# KiCad board 8851_HW-U1-VCU118_REV2-0_071417.kicad_pcb (continued)
## Routing (per net, layer and track width the routed paths; a pad name or vN(x,y) marks a point on that pad's centre or on a via; arc(x,y) is an arc through that point) (continued)
DDR4_C2_DQ60: length 56
  TOP w0.15: 154.29,87.25 v1(153.9,86.86) ; v2(130.15,79.57) 129.66,79.08
  14_SIG4 w0.087: 155.67,93.88 155.86,93.69 155.86,89.33 155.47,88.94 154.46,88.94 154.29,88.76 154.29,86.95 154.2,86.86 v1(153.9,86.86) ; 134.58,87.81 134.58,87.24 134.3,86.95 133.89,86.95 133.6,86.66 133.6,86.26 133.31,85.97 132.9,85.97 132.62,85.68 132.62,85.27 132.33,84.98 130.94,84.98 130.65,84.69 130.65,84.29 130.36,84 129.95,84 129.66,83.71 129.66,83.3 129.37,83.01 128.97,83.01 128.68,82.73 128.68,80.35 128.97,80.06 129.33,80.06 129.82,79.57 v2(130.15,79.57)
  14_SIG4 w0.138: 134.58,87.81 134.58,88.1 135.32,88.84 139.71,93.22 140.25,93.22 142.02,94.99 143.85,94.99 144.01,94.83 144.01,94.6 143.82,94.42 142.43,94.42 142.23,94.22 142.23,94.04 142.39,93.88 143.68,93.88 143.95,93.62 143.95,93.47 143.95,92.45 144.48,91.92 146.65,91.92 148.06,93.33 148.06,93.59 147.96,93.69 147.96,94.01 148.18,94.24 148.33,94.24 148.78,94.68 149.9,94.68 150.66,95.44 154.12,95.44 155.67,93.88
DDR4_C2_DQ61: length 55.1
  TOP w0.15: v2(130.15,80.55) 129.66,80.06 ; 154.29,91.98 v1(153.9,92.37)
  14_SIG4 w0.087: 151.54,92.81 151.71,92.81 151.93,93.03 151.93,93.32 152.16,93.55 153.27,93.55 153.5,93.32 153.5,92.95 153.8,92.66 153.9,92.56 v1(153.9,92.37) ; v2(130.15,80.55) 130.55,80.55 130.65,80.65 130.65,81.79 130.88,82.03 132.38,82.03 132.62,82.26 132.62,82.81 132.82,83.01 133.37,83.01 133.6,83.25 133.6,83.78 133.82,84 134.41,84 134.58,84.18 134.58,84.77 134.8,84.98 135.35,84.98 135.57,85.2 135.57,85.75 135.79,85.97 136.29,85.97 136.55,86.23 136.55,86.74 136.76,86.95 137.37,86.95 137.5,87.08 137.5,87.55 137.64,87.69 138.59,87.69 138.72,87.55 138.72,87.28 138.86,87.14 139.27,87.14 139.47,87.34
  14_SIG4 w0.138: 151.54,92.81 151.08,92.81 150.09,91.82 149.94,91.82 149.88,91.89 149.61,91.89 149.35,91.62 149.35,91.36 149.4,91.3 149.4,91.13 149.05,90.78 148.86,90.78 148.79,90.85 148.52,90.85 148.26,90.59 148.26,90.32 148.32,90.26 148.32,90.05 147.26,88.99 147.01,88.99 146.82,89.18 146.82,89.74 146.65,89.92 146.25,89.92 146.07,89.74 146.07,89.18 145.89,88.99 145.51,88.99 145.32,89.18 145.32,89.74 145.15,89.92 144.75,89.92 144.57,89.74 144.57,86.94 144.44,86.81 143.98,86.81 143.85,86.94 143.85,89.51 143.65,89.71 143.27,89.71 143.07,89.51 143.07,89.18 142.89,88.99 142.27,88.99 142.09,89.18 142.09,89.77 141.91,89.95 141.53,89.95 141.34,89.75 141.34,89.05 141.14,88.86 140.77,88.86 140.59,89.04 140.59,89.72 140.4,89.91 140.02,89.91 139.84,89.72 139.84,89.18 139.65,88.99 139.25,88.99 139.02,89.22 138.63,89.22 137.86,88.46 137.86,88.31 138.02,88.16 141.55,88.16 141.72,87.99 141.72,87.5 141.57,87.34 139.47,87.34
DDR4_C2_DQ62: length 55.8
  TOP w0.15: v2(131.14,79.57) 130.65,79.08 ; 155.08,88.04 v1(154.68,88.43)
  TOP w0.375: 159.8,86.47 v1(160.19,86.07)
  14_SIG4 w0.087: v1(154.68,88.43) 154.68,88.2 154.84,88.04 155.63,88.04 155.86,88.27 155.86,88.66 156.65,89.45 156.65,93.88 ; 133.6,87.67 133.6,87.24 133.31,86.95 132.9,86.95 132.62,86.66 132.62,86.26 132.33,85.97 131.05,85.97 130.71,85.63 130.71,85.18 130.51,84.98 129.95,84.98 129.66,84.69 129.66,84.29 129.37,84 128.97,84 128.68,83.71 128.68,83.3 128.39,83.01 127.98,83.01 127.69,82.73 127.69,80.35 127.98,80.06 128.39,80.06 128.68,79.77 128.68,79.37 128.97,79.08 130.65,79.08 v2(131.14,79.57)
  14_SIG4 w0.138: 133.6,87.67 133.6,88.09 139.65,94.14 140.27,94.14 142.23,96.11 142.65,96.11 142.97,95.78 143.65,95.78 144.12,96.25 146.84,96.25 146.95,96.13 147.45,96.13 147.64,95.95 147.64,95.11 147.75,95 148.12,95 148.25,95.12 148.25,95.74 148.34,95.83 148.65,95.83 148.78,95.7 148.78,95.43 148.88,95.32 149.57,95.32 150.38,96.13 154.52,96.13 156.65,94 156.65,93.88
DDR4_C2_DQ63: length 54.4
  TOP w0.15: v2(131.14,80.55) 130.65,80.06 ; 155.08,91.19 v1(154.68,90.8)
  14_SIG4 w0.087: v1(154.68,90.8) 154.68,89.52 154.83,89.37 155.41,89.37 155.52,89.48 155.52,90.11 155.07,90.56 155.07,93.51 154.7,93.88 ; 135.57,87.8 135.57,87.24 135.28,86.95 134.87,86.95 134.58,86.66 134.58,86.26 134.3,85.97 133.89,85.97 133.6,85.68 133.6,85.27 133.31,84.98 132.9,84.98 132.62,84.69 132.62,84.29 132.33,84 130.94,84 130.65,83.71 130.65,83.3 130.36,83.01 129.95,83.01 129.66,82.73 129.66,80.35 129.95,80.06 131.47,80.06 131.63,80.22 131.63,80.46 131.53,80.55 v2(131.14,80.55)
  14_SIG4 w0.138: 135.57,87.8 135.57,88.11 136.29,88.84 136.29,88.84 139.07,91.62 139.34,91.62 139.63,91.33 140.02,91.33 140.23,91.54 140.23,91.78 140.04,91.97 140.04,92.23 140.4,92.59 140.67,92.59 140.95,92.31 140.95,91.49 141.15,91.29 142.23,91.29 142.48,91.54 142.48,92.42 142.3,92.6 141.71,92.6 141.25,93.07 141.25,93.3 141.51,93.56 141.81,93.56 142.2,93.17 143.09,93.17 143.26,93 143.26,92.99 143.26,91.58 143.6,91.25 146.95,91.25 147,91.3 147.02,91.3 148.92,93.2 148.92,93.92 149.05,94.04 149.32,94.04 149.68,93.68 149.87,93.68 150.98,94.78 153.8,94.78 154.7,93.88
DDR4_C2_DQ64: length 69.8
  TOP w0.15: 157.44,31.5 v1(157.05,31.11) ; v2(139.01,67.76) 138.52,67.27
  14_SIG4 w0.087: 139.47,43.17 138.69,43.17 138.19,43.67 137.69,43.67 137.53,43.84 137.53,44.28 137.2,44.6 136.73,44.6 136.55,44.78 136.55,64.03 136.55,64.03 136.55,64.18 137.54,65.17 137.54,66.98 137.82,67.27 138.14,67.27 138.63,67.76 v2(139.01,67.76) ; 151.54,31.79 151.64,31.68 151.8,31.68 151.9,31.78 151.9,32.19 152,32.29 154.89,32.29 155.07,32.11 155.07,31.66 155.23,31.51 156.93,31.51 157.05,31.39 v1(157.05,31.11)
  14_SIG4 w0.138: 151.54,31.79 151.43,31.9 151.43,32.68 150.93,33.17 150.75,33.17 150.51,32.93 150.51,32.67 150.95,32.22 150.95,31.91 150.78,31.74 150.49,31.74 149.85,32.39 149.54,32.39 148.26,33.66 147.89,33.66 147.76,33.8 147.76,34.14 147.97,34.35 148.44,34.35 148.7,34.61 148.7,34.91 146.72,36.89 144.98,36.89 144.45,36.35 143.8,36.35 143.64,36.51 143.64,36.78 143.91,37.04 143.91,37.27 143.59,37.59 143.33,37.59 143.18,37.44 142.72,37.44 141.61,38.54 141.61,38.91 141.94,39.24 141.94,39.67 141.77,39.83 140.29,39.83 140.13,39.99 140.13,40.23 140.29,40.39 141.77,40.39 141.94,40.56 141.94,40.96 141.75,41.15 140.89,41.15 140.76,41.28 140.76,41.82 140.59,41.99 140.28,41.99 140.11,41.82 140.11,41.12 139.95,40.96 139.71,40.96 139.55,41.12 139.55,42.44 139.66,42.55 140.59,42.55 140.76,42.72 140.76,42.88 140.47,43.17 139.47,43.17
DDR4_C2_DQ65: length 68.5
  TOP w0.15: v2(139.01,68.74) 138.52,68.25 ; 156.65,35.44 v1(156.26,35.05)
  14_SIG4 w0.087: 154.64,38.01 154.91,38.01 155.07,37.84 155.07,36.46 154.85,36.23 154.72,36.23 154.71,36.23 154.41,36.23 154.29,36.11 154.29,34.72 154.65,34.36 155.76,34.36 156.26,34.86 v1(156.26,35.05) ; v2(139.01,68.74) 139.39,68.74 139.82,68.32 139.82,60.73 140.09,60.46
  14_SIG4 w0.138: 140.09,60.46 140.37,60.19 140.37,51.9 140.53,51.74 141.61,51.74 141.77,51.57 141.77,51.34 141.61,51.18 140.53,51.18 140.37,51.01 140.37,50.78 140.53,50.61 142.08,50.61 142.25,50.45 142.25,50.22 142.08,50.05 140.53,50.05 140.37,49.89 140.37,49.65 140.53,49.49 142.29,49.49 142.78,49.97 143.03,49.97 143.17,49.84 143.17,43.14 144.52,41.79 146.59,41.79 148.08,40.3 148.4,40.3 148.81,39.89 148.81,39.66 150.25,38.22 151.27,38.22 152.08,39.03 152.08,40.38 152.22,40.53 154.35,40.53 154.53,40.35 154.53,40.14 154.36,39.98 152.67,39.98 152.5,39.81 152.5,39.58 152.67,39.42 154.36,39.42 154.53,39.25 154.53,39.02 154.36,38.85 152.67,38.85 152.5,38.69 152.5,38.45 152.67,38.29 154.36,38.29 154.64,38.01
  vias: v1(157.05,31.9)
DDR4_C2_DQ66: length 70.4
  TOP w0.15: 158.23,32.29 v1(157.83,32.68) ; v2(137.04,69.73) 136.55,69.24
  14_SIG4 w0.087: v1(157.83,32.68) 157.83,32.43 157.68,32.28 157.5,32.28 157.44,32.34 157.44,33.01 157.35,33.1 156.45,33.1 155.58,33.98 154.62,33.98 154.59,34.01 154.13,34.01 154.05,34.1 154.05,34.56 153.96,34.65 153.78,34.65 153.7,34.56 153.7,34.1 153.61,34.01 153.43,34.01 153.35,34.1 153.35,34.56 153.26,34.65 153.08,34.65 153,34.56 153,33.98 152.91,33.89 152.73,33.89 152.65,33.98 152.65,34.56 152.56,34.65 152.38,34.65 152.3,34.56 152.3,34.1 152.21,34.01 152.06,34.01 151.87,34.21 151.87,34.86 151.76,34.96 151.45,34.96 151.34,35.07 151.34,35.22 151.45,35.33 151.76,35.33 151.87,35.44 151.87,35.59 151.76,35.7 151.45,35.7 151.34,35.81 151.34,35.96 151.45,36.07 151.76,36.07 151.87,36.17 151.87,37.48 151.72,37.62 151.54,37.62 ; v2(137.04,69.73) 137.46,69.73 137.55,69.64 137.55,69.38 137.69,69.24 138.34,69.24 138.52,69.05 138.52,68.4 138.67,68.25 139.32,68.25 139.47,68.1 139.47,60.5
  14_SIG4 w0.138: 151.54,37.62 151.53,37.62 151.38,37.48 151.38,36.62 151.24,36.49 150.99,36.49 150.8,36.67 150.8,37.45 150.68,37.58 150.35,37.58 150.22,37.45 150.22,36.94 150.09,36.8 149.53,36.8 148.92,37.41 148.92,37.6 149.05,37.74 149.19,37.74 149.35,37.58 149.54,37.58 149.68,37.71 149.68,37.88 149.15,38.4 148.93,38.4 148.32,37.8 148.09,37.8 147.95,37.94 147.95,38.2 148.35,38.6 148.35,38.83 148.15,39.03 147.95,39.03 147.7,38.78 147.7,38.64 147.56,38.51 147.37,38.51 147.19,38.68 147.19,39.07 147.55,39.42 147.55,39.86 146.39,41.03 144.18,41.03 142.42,42.78 142.42,47.69 142.28,47.82 142.19,47.82 142.05,47.96 142.05,48.24 142.19,48.37 142.28,48.37 142.42,48.51 142.42,48.63 142.25,48.8 141.53,48.8 141.38,48.65 141.38,48.55 141.25,48.42 140.97,48.42 140.83,48.56 140.83,48.69 140.67,48.85 140.32,48.85 140.18,48.7 140.18,48.3 140.03,48.15 139.78,48.15 139.64,48.29 139.64,60.34 139.47,60.5
DDR4_C2_DQ67: length 70
  TOP w0.15: v2(138.03,69.73) 137.54,69.24 ; 158.23,35.44 v1(157.83,35.05)
  14_SIG4 w0.087: 139.47,69.29 138.74,69.29 138.31,69.73 v2(138.03,69.73) ; v1(157.83,35.05) 157.44,35.44 156.1,35.44 155.87,35.21 155.87,35.02 155.87,35.02 155.87,34.89 155.63,34.66 155.31,34.66 155.08,34.88 155.08,36 155.2,36.12 155.2,36.12 155.31,36.23 155.63,36.23 155.86,36.46 155.86,37.61 155.14,38.33 155.14,38.38
  14_SIG4 w0.138: 139.47,69.29 139.94,69.29 140.48,68.76 140.48,61.91 141.1,61.29 141.1,52.65 141.3,52.45 141.57,52.45 141.75,52.62 141.75,57.03 141.95,57.22 142.28,57.22 142.43,57.08 142.43,51.21 142.63,51.01 143.14,51.01 143.93,50.22 143.93,46.59 144.07,46.45 144.56,46.45 144.7,46.31 144.7,46.04 144.56,45.9 144.07,45.9 143.93,45.76 143.93,45.49 144.07,45.35 144.56,45.35 144.7,45.21 144.7,44.94 144.56,44.8 144.07,44.8 143.93,44.66 143.93,44.39 144.07,44.25 144.56,44.25 144.7,44.11 144.7,43.84 144.56,43.7 144.07,43.7 143.93,43.56 143.93,43.35 144.81,42.48 146.88,42.48 147.28,42.07 147.74,41.62 148.41,41.62 149.52,40.51 149.52,39.92 150.47,38.98 151,38.98 151.66,39.63 151.66,40.57 152.24,41.16 154.76,41.16 155.14,40.78 155.14,38.38
DDR4_C2_DQ68: length 70.6
  TOP w0.15: 158.23,31.5 v1(157.83,31.11) ; v2(137.04,68.74) 136.55,68.25
  14_SIG4 w0.087: v1(157.83,31.11) 157.83,31.11 158.09,31.11 158.18,31.03 158.18,30.88 158.03,30.73 157.63,30.73 157.44,30.53 157.44,30.16 157.2,29.93 154.52,29.93 154.29,30.16 154.29,30.48 154.06,30.71 151.99,30.71 151.88,30.6 151.88,30.28 151.72,30.12 151.54,30.12 ; 137.23,41.48 137.53,41.78 137.53,42.38 137.3,42.61 136.72,42.61 136.55,42.78 136.55,43.36 136.26,43.64 135.86,43.64 135.57,43.94 135.57,44.34 135.28,44.63 134.76,44.63 134.58,44.8 134.58,65.11 134.82,65.35 135.42,65.35 135.57,65.49 135.57,66.09 135.76,66.28 136.23,66.28 136.55,66.6 136.55,67.1 136.72,67.27 137.32,67.27 137.54,67.49 137.54,68.63 137.43,68.74 v2(137.04,68.74)
  14_SIG4 w0.138: 151.54,30.12 149.99,30.12 149.82,30.28 149.82,30.44 149.64,30.62 149.26,30.62 149.07,30.44 149.07,30.28 148.91,30.12 148.31,30.12 148,30.43 148,31.98 147.79,32.19 147.32,32.19 147.11,31.97 147.11,31.31 146.94,31.15 146.67,31.15 146.48,31.34 146.48,32 146.29,32.19 144.96,32.19 142.87,34.28 142.87,34.48 143.16,34.77 143.16,35 143,35.17 142.76,35.17 142.47,34.88 142.27,34.88 142.07,35.08 142.07,35.27 142.36,35.57 142.36,35.8 142.2,35.96 141.97,35.96 141.67,35.67 141.48,35.67 141.27,35.88 141.27,36.07 141.57,36.36 141.57,36.6 141.4,36.76 141.17,36.76 140.88,36.47 140.68,36.47 140.48,36.67 140.48,36.86 140.77,37.16 140.77,37.39 140.61,37.56 140.38,37.56 140.08,37.26 139.89,37.26 139.68,37.47 139.68,37.66 139.98,37.95 139.98,38.19 139.81,38.35 139.58,38.35 139.29,38.06 139.09,38.06 137.23,39.92 137.23,41.48
DDR4_C2_DQ69: length 71.4
  TOP w0.15: 158.23,36.23 v1(157.83,36.62) ; v2(138.03,68.74) 137.54,68.25
  14_SIG4 w0.087: v2(138.03,68.74) 137.54,68.95 137.33,69.15 136.88,69.15 136.6,68.86 136.6,68.72 136.12,68.24 135.97,68.24 135.59,67.86 135.59,67.7 135.2,67.32 135.07,67.32 134.68,66.93 134.68,66.78 134.21,66.32 133.98,66.32 133.8,66.13 132.87,64.4 132.62,63.78 132.62,45.04 133.1,44.56 133.29,44.56 133.58,44.26 133.58,44.06 134,43.64 134.28,43.64 134.53,43.39 134.53,42.29 135.21,40.09 ; 159.2,30.13 159.65,31.22 159.65,34.03 159.62,34.1 159.01,34.89 159.01,35.21 158.78,35.44 158.46,35.44 158.22,35.68 158.22,36.1 158.13,36.33 v1(157.83,36.62)
  14_SIG4 w0.138: 135.21,40.09 146.51,28.79 153.49,28.79 153.62,28.65 157.48,28.65 157.96,28.85 159.16,30.05 159.2,30.13
DDR4_C2_DQ70: length 71.5
  TOP w0.15: v2(137.04,66.77) 136.55,66.28 ; 159.01,32.29 v1(158.62,32.68)
  14_SIG4 w0.087: v1(158.62,32.68) 158.62,32.43 158.47,32.28 158.29,32.28 158.22,32.34 158.22,33.01 158.3,33.08 158.47,33.08 158.62,33.23 158.62,33.36 158.45,33.53 156.44,33.53 156.34,33.64 156.34,33.84 156.42,33.93 158.87,33.93 159.04,33.76 159.04,31.78 159.01,31.75 159.01,31.74 158.78,31.51 158.77,31.51 158.76,31.5 157.53,31.5 157.44,31.41 157.44,31.14 157.44,31.13 157.44,30.95 157.21,30.72 154.5,30.72 154.29,30.93 154.29,31.36 154.13,31.52 154.12,31.51 152.05,31.51 151.54,31 ; 137.84,42.62 137.52,42.95 137.52,43.38 137.26,43.64 136.81,43.64 136.5,43.95 136.5,44.33 136.27,44.55 135.74,44.55 135.57,44.72 135.57,64.16 135.32,64.41 135.11,64.41 134.9,64.62 134.9,64.78 135.12,65 135.72,65 136.13,64.59 136.41,64.59 136.73,64.92 136.73,65.23 136.55,65.41 136.55,66.26 137.04,66.75 v2(137.04,66.77)
  14_SIG4 w0.138: 151.54,31 151.35,30.8 150.45,30.8 149.91,31.35 148.99,31.35 148.74,31.59 148.74,32.21 148.03,32.92 145.13,32.92 143.85,34.21 143.85,35.29 139.85,39.29 139.54,39.29 139.31,39.06 139.02,39.06 138.73,39.36 138.73,39.59 139.23,40.09 139.23,40.33 139.07,40.49 138.83,40.49 138.33,39.99 138.1,39.99 137.93,40.15 137.93,40.38 138.44,40.89 138.44,42.03 137.84,42.62
DDR4_C2_DQ71: length 71.8
  TOP w0.15: 159.01,35.44 v1(158.62,35.05) ; v2(137.04,67.76) 136.55,67.27
  14_SIG4 w0.087: v2(137.04,67.76) 136.73,67.76 136.24,67.27 135.86,67.27 135.57,66.98 135.57,66.57 135.28,66.28 134.87,66.28 134.58,65.99 134.58,65.55 134.28,65.24 133.8,65.24 133.6,65.05 133.6,64.92 133.71,64.81 133.99,64.81 134.1,64.7 134.1,64.55 133.99,64.44 133.71,64.44 133.6,64.33 133.6,44.82 133.79,44.63 134.29,44.63 134.58,44.34 134.58,43.97 134.59,43.97 134.59,43.93 134.87,43.65 135.36,43.65 135.57,43.43 135.57,40.66 ; v1(158.62,35.05) 158.62,34.83 158.41,34.63 156.46,34.63 156.29,34.46 156.29,34.34 156.4,34.24 158.48,34.24 158.7,34.46 158.81,34.46 159.35,33.92 159.35,31.3 158.76,30.71 158.46,30.71 158.23,30.48 158.23,30.13
  14_SIG4 w0.138: 158.23,30.13 158.23,30.03 157.65,29.45 157.3,29.3 154.16,29.3 154.01,29.45 146.78,29.45 146.29,29.93 146.29,30.13 146.42,30.26 146.42,30.45 146.13,30.74 145.94,30.74 145.81,30.61 145.61,30.61 135.57,40.66
DDR4_C2_DQ72: length 58
  TOP w0.15: 152.71,32.29 v1(152.32,32.68) ; v2(136.06,66.77) 135.57,66.28
  03_SIG1 w0.17: 140.38,60.37 140.21,60.37 139.24,61.34 138.9,61.34 138.52,61.72 138.52,62.15 138.31,62.36 137.76,62.36 137.54,62.58 137.54,64.94 137.18,65.3 135.83,65.3 135.57,65.56 135.57,66.67 135.67,66.77 v2(136.06,66.77) ; v1(152.32,32.68) 153.5,33.87 153.5,36 153.27,36.23 151.85,36.23 151.54,36.53
  03_SIG1 w0.258: 140.38,60.37 140.81,60.37 143.45,57.72 143.45,50.51 143.66,50.3 144.44,50.3 144.72,50.02 144.72,45.05 144.54,44.87 144.26,44.87 144.07,45.05 144.07,49.45 143.93,49.6 143.6,49.6 143.43,49.43 143.43,44.6 147.79,40.24 148.64,40.24 149.43,39.44 149.43,38.94 150.09,38.29 150.09,37.99 151.46,36.62 151.46,36.62 151.54,36.53
DDR4_C2_DQ73: length 57.8
  TOP w0.15: v2(136.06,67.76) 135.57,67.27 ; 153.5,36.23 v1(153.11,36.62)
  03_SIG1 w0.17: 151.6,37.36 151.95,37.02 153,37.02 153.11,36.91 v1(153.11,36.62) ; v2(136.06,67.76) 136.06,67.51 136.55,67.02 136.55,66.57 136.84,66.28 138.35,66.28 138.52,66.11 138.52,62.62 138.74,62.4 139.35,62.4 139.56,62.19 139.56,61.89 139.8,61.65 140.38,61.65
  03_SIG1 w0.258: 140.38,61.65 140.43,61.65 143.62,58.45 144.72,58.45 145.03,58.15 145.03,57.5 144.8,57.28 144.28,57.28 144.1,57.1 144.1,56.68 144.28,56.5 144.8,56.5 145.03,56.28 145.03,55.96 144.8,55.73 144.31,55.73 144.1,55.52 144.1,55.17 144.31,54.96 144.81,54.96 145.03,54.75 145.03,54.4 144.81,54.19 144.31,54.19 144.1,53.98 144.1,53.68 144.28,53.5 144.86,53.5 145.03,53.33 145.03,52.94 144.86,52.78 144.3,52.78 144.1,52.58 144.1,51.12 144.27,50.95 144.55,50.95 144.72,51.13 144.72,51.97 144.91,52.15 145.16,52.15 145.38,51.94 145.38,44.75 146.39,43.74 146.39,43.42 146.19,43.23 146.19,42.91 146.42,42.68 146.74,42.68 146.93,42.87 147.25,42.87 147.5,42.62 147.5,42.25 147.97,41.78 148.55,41.78 148.84,41.48 148.84,41.08 150.07,39.85 150.07,39.28 150.48,38.88 150.88,38.88 152.12,40.12 152.12,40.95 152.38,41.2 152.82,41.2 153.01,41.02 153.01,40.06 151.6,38.65 151.6,37.36
DDR4_C2_DQ74: length 58.1
  TOP w0.15: v2(135.08,69.73) 134.58,69.24 ; 154.29,32.29 v1(153.9,32.68)
  03_SIG1 w0.17: 140.38,69.06 139.22,70.22 135.57,70.22 v2(135.08,69.73) ; v1(153.9,32.68) 153.9,33.45 154,33.55 155.53,33.55 155.62,33.64 155.62,34.34 155.71,34.42 155.98,34.42 156.09,34.31 156.09,33.72 156.26,33.55 156.56,33.55 156.65,33.64 156.65,38.38
  03_SIG1 w0.258: 156.65,38.38 156.65,42.95 156.23,43.38 151.78,43.38 151.32,43.83 151.32,44.17 150.18,45.33 150.18,49.1 149.35,49.92 149.35,52.45 148.55,53.25 148.07,53.25 147.56,53.77 147.56,59.36 147.33,59.59 147.33,59.62 145.87,61.08 144.6,61.08 141.28,64.39 141.28,68.16 140.38,69.06
DDR4_C2_DQ75: length 55.7
  TOP w0.15: 154.29,35.44 v1(153.9,35.05) ; v2(136.06,69.73) 135.57,69.24
  03_SIG1 w0.17: v1(153.9,35.05) 153.9,34.14 154.12,33.92 154.91,33.92 155.08,34.09 155.08,37.99 155.47,38.38 ; v2(136.06,69.73) 136.3,69.73 136.79,69.23 139.22,69.23 140.38,68.07
  03_SIG1 w0.258: 140.38,68.07 140.64,67.81 140.64,64.14 144.35,60.42 145.6,60.42 146.92,59.1 146.92,53.48 147.88,52.53 148.25,52.53 148.7,52.08 148.7,49.17 148.88,49 149.24,49 149.5,48.74 149.5,48.11 149.21,47.83 148.89,47.83 148.68,47.61 148.68,47.08 148.86,46.89 149.39,46.89 149.53,46.75 149.53,46.14 149.31,45.93 148.84,45.93 148.7,45.79 148.7,45.42 148.96,45.17 149.43,45.17 150.1,44.5 150.1,43.51 150.36,43.25 151,43.25 151.4,42.85 155.57,42.85 155.98,42.44 155.98,38.89 155.47,38.38
DDR4_C2_DQ76: length 58.6
  TOP w0.15: v2(133.11,68.74) 132.62,68.25 ; 154.29,31.5 v1(153.9,31.11)
  03_SIG1 w0.17: 151.54,31.28 151.62,31.28 151.85,31.5 153.81,31.5 153.9,31.42 v1(153.9,31.11) ; 139.31,58.41 138.81,58.41 138.52,58.7 138.52,59.24 138.36,59.39 137.77,59.39 137.54,59.63 137.54,60.17 137.33,60.38 136.77,60.38 136.55,60.59 136.55,61.12 136.31,61.36 135.82,61.36 135.57,61.61 135.57,62.06 135.56,62.06 135.56,62.12 135.34,62.35 134.81,62.35 134.58,62.57 134.58,64.08 133.92,64.75 133.22,64.75 132.62,65.35 132.62,68.25 v2(133.11,68.74)
  03_SIG1 w0.258: 151.54,31.28 150.79,31.28 149.44,32.63 149.44,32.87 149.64,33.06 149.89,33.06 151.05,31.9 151.29,31.9 151.45,32.06 151.45,32.4 149.95,33.9 149.57,33.9 149.03,33.36 148.78,33.36 148.57,33.58 148.57,34.62 148.7,34.76 149.04,34.76 149.18,34.9 149.18,35.37 149.04,35.51 148.7,35.51 148.57,35.65 148.57,35.98 140.15,44.39 140.15,47.52 139.55,48.12 139.55,58.17 139.31,58.41
DDR4_C2_DQ77: length 59.6
  TOP w0.15: 154.29,36.23 v1(153.9,36.62) ; v2(133.11,69.73) 132.62,69.24
  03_SIG1 w0.17: v2(133.11,69.73) 133.6,69.23 134.3,69.23 134.58,68.95 134.58,68.78 134.58,68.78 134.58,68.54 134.87,68.25 135.03,68.25 136.11,68.25 136.26,68.25 136.55,67.96 136.55,67.71 136.55,67.55 136.84,67.27 136.99,67.27 139.28,67.27 139.53,67.02 139.53,63.45 140.38,62.6 ; 153.81,38.38 153.5,38.08 153.5,37.02 v1(153.9,36.62)
  03_SIG1 w0.258: 140.38,62.6 143.85,59.12 144.97,59.12 145.66,58.44 145.66,52.87 146.05,52.48 146.05,45.05 147.85,43.25 148.28,43.25 149.47,42.05 149.47,41.35 150.64,40.19 151.27,40.19 151.53,40.45 151.53,41.12 152.16,41.76 153.5,41.76 153.62,41.63 153.62,39.94 152.63,38.95 152.63,38.69 152.81,38.51 153.06,38.51 154.27,39.72 154.27,41.57 154.46,41.76 154.68,41.76 154.93,41.5 154.93,39.51 153.81,38.38
DDR4_C2_DQ78: length 57.2
  TOP w0.15: v2(134.09,68.74) 133.6,68.25 ; 155.08,32.29 v1(154.68,32.68)
  03_SIG1 w0.17: v1(154.68,32.68) 154.68,32.96 154.8,33.08 157.21,33.08 157.44,32.85 157.44,31.61 157.33,31.5 154.52,31.5 154.29,31.73 154.29,32.06 154.06,32.29 152.48,32.29 152.48,32.29 152.16,32.29 151.93,32.52 151.93,32.82 151.54,33.21 ; 139.55,59 139.14,59.41 138.81,59.41 138.55,59.68 138.55,60.01 138.19,60.37 137.79,60.37 137.54,60.63 137.54,61.07 137.25,61.36 136.81,61.36 136.55,61.62 136.55,62.06 136.26,62.35 135.85,62.35 135.57,62.63 135.57,64.29 135.4,64.46 134.73,64.46 133.6,65.59 133.6,68.25 v2(134.09,68.74)
  03_SIG1 w0.258: 139.55,59 140,58.55 140,58 140.42,57.58 140.42,48.2 140.72,47.9 140.72,44.77 149.84,35.65 149.84,34.91 151.54,33.21
DDR4_C2_DQ79: length 57.2
  TOP w0.15: 155.08,35.44 v1(154.68,35.05) ; v2(135.08,68.74) 134.58,68.25
  03_SIG1 w0.17: v2(135.08,68.74) 135.57,69.23 136.26,69.23 136.55,68.95 136.55,68.54 136.84,68.25 139.22,68.25 139.5,67.97 ; 154.52,38.38 154.29,38.15 154.29,35.44 v1(154.68,35.05)
  03_SIG1 w0.258: 154.52,38.38 155.42,39.29 155.42,41.92 155.06,42.28 151.73,42.28 151.16,41.71 150.44,41.71 150.18,41.97 150.18,42.54 149.4,43.31 149.4,44.08 148.95,44.53 147.82,44.53 147.53,44.83 147.53,45.39 147.3,45.62 146.93,45.62 146.7,45.84 146.7,46.16 146.93,46.39 147.32,46.39 147.55,46.62 147.55,46.94 147.32,47.16 146.93,47.16 146.7,47.39 146.7,47.71 146.93,47.93 147.35,47.93 147.57,48.16 147.57,48.48 147.35,48.71 146.93,48.71 146.7,48.93 146.7,49.25 146.93,49.48 147.75,49.48 147.97,49.71 147.97,50.03 147.75,50.25 146.93,50.25 146.7,50.48 146.7,50.8 146.93,51.02 147.3,51.02 147.53,51.25 147.53,51.9 146.29,53.14 146.29,58.84 145.35,59.78 144.1,59.78 140.07,63.8 140.07,67.39 139.5,67.97
DDR4_C2_DQS0_C: length 65
  TOP w0.142: v2(139.01,72.68) 138.52,72.19 ; v1(156.26,46.81) 156.65,46.42
  07_SIG3 w0.175: 151.54,50.64 151.66,50.64 151.93,50.38 151.93,48.99 153.34,47.57 153.67,47.57 153.84,47.75 153.84,48.1 154.02,48.27 154.37,48.27 154.54,48.1 154.54,47.75 154.72,47.57 155.71,47.57 156.26,47.02 v1(156.26,46.81)
  07_SIG3 w0.205: 151.54,50.64 150.64,50.64 150.5,50.78 150.5,51.07 150.72,51.29 151.06,51.29 151.4,51.63 151.4,52.39 150.78,53.01 148.27,53.01 147.55,53.73 147.55,61.64 146.73,62.45 145.07,62.45 143.34,64.18 143.34,66.9 143.48,67.03 143.95,67.03 144.09,66.9 144.09,66.55 144.4,66.24 144.92,66.24 145.24,66.56 145.24,66.9 145.38,67.03 147.12,67.03 147.44,67.36 147.44,67.78 147.04,68.18 145.34,68.18 145.2,68.32 145.2,70.26 144.76,70.7 144.37,70.7 144.05,70.39 144.05,68.4 143.89,68.23 143.48,68.23 143.34,68.37 143.34,70.43 142.91,70.86 142.91,72.16 142.6,72.47 142.07,72.47 141.76,72.16 141.76,67.47 141.59,67.3 141.42,67.3 141.09,67.63 141.09,71.64 140.36,72.37 139.32,72.37 v2(139.01,72.68)
  vias: v1(160.19,46.02)
DDR4_C2_DQS0_T: length 65.1
  TOP w0.142: 157.44,46.42 v1(157.05,46.81) ; v2(139.01,71.7) 138.52,71.2
  07_SIG3 w0.175: 151.54,50.34 151.63,50.25 151.63,48.86 153.21,47.27 155.58,47.27 155.87,46.99 155.87,46.65 156.1,46.42 156.42,46.42 156.81,46.81 v1(157.05,46.81)
  07_SIG3 w0.205: v2(139.01,71.7) 139.38,72.06 140.24,72.06 140.79,71.52 140.79,67.51 141.3,67 141.71,67 142.06,67.35 142.06,72.04 142.2,72.17 142.47,72.17 142.61,72.04 142.61,70.74 143.04,70.31 143.04,68.25 143.35,67.93 144.02,67.93 144.35,68.27 144.35,70.26 144.49,70.4 144.64,70.4 144.9,70.13 144.9,68.2 145.22,67.88 146.91,67.88 147.14,67.66 147.14,67.48 146.99,67.33 145.26,67.33 144.94,67.02 144.94,66.69 144.8,66.54 144.52,66.54 144.39,66.68 144.39,67.02 144.08,67.33 143.35,67.33 143.04,67.02 143.04,64.06 144.94,62.15 146.61,62.15 147.25,61.51 147.25,53.61 148.15,52.71 150.65,52.71 151.1,52.27 151.1,51.76 150.93,51.59 150.6,51.59 150.2,51.2 150.2,50.66 150.52,50.34 151.54,50.34
DDR4_C2_DQS1_T: length 52.8
  TOP w0.142: v1(153.11,49.17) 153.5,49.57 ; 132.62,75.14 v2(133.11,75.63)
  14_SIG4 w0.105: v2(133.11,75.63) 133.7,76.22 134.32,76.22 134.49,76.4 134.49,76.88 134.82,77.21 136.28,77.21 136.45,77.38 136.45,78.84 136.79,79.18 140.3,79.18 140.35,79.23 140.38,79.23
  14_SIG4 w0.106: 151.75,51.05 151.77,51.03 151.77,50.99 151.93,50.83 151.93,49.79 152.15,49.57 152.71,49.57 v1(153.11,49.17)
  14_SIG4 w0.138: 151.75,51.05 151.13,51.67 149.38,53.42 149.38,61.55 150.1,62.28 150.1,67 147.57,69.52 147.57,73.05 146.47,74.15 146.47,74.34 146.75,74.61 146.75,75.08 146.35,75.48 145.88,75.48 145.62,75.21 145.41,75.21 145.15,75.48 145.15,75.69 145.41,75.95 145.41,76.42 145.01,76.81 144.55,76.81 144.28,76.55 144.07,76.55 143.81,76.82 143.81,77.03 144.07,77.29 144.07,77.75 143.67,78.15 143.21,78.15 142.95,77.89 142.74,77.89 142.47,78.15 142.47,78.36 142.84,78.73 142.84,79.17 142.45,79.57 141.96,79.57 141.61,79.23 140.38,79.23
